# Altium PCB CORE-XY.PcbDoc (part 2 of 2) (continued)
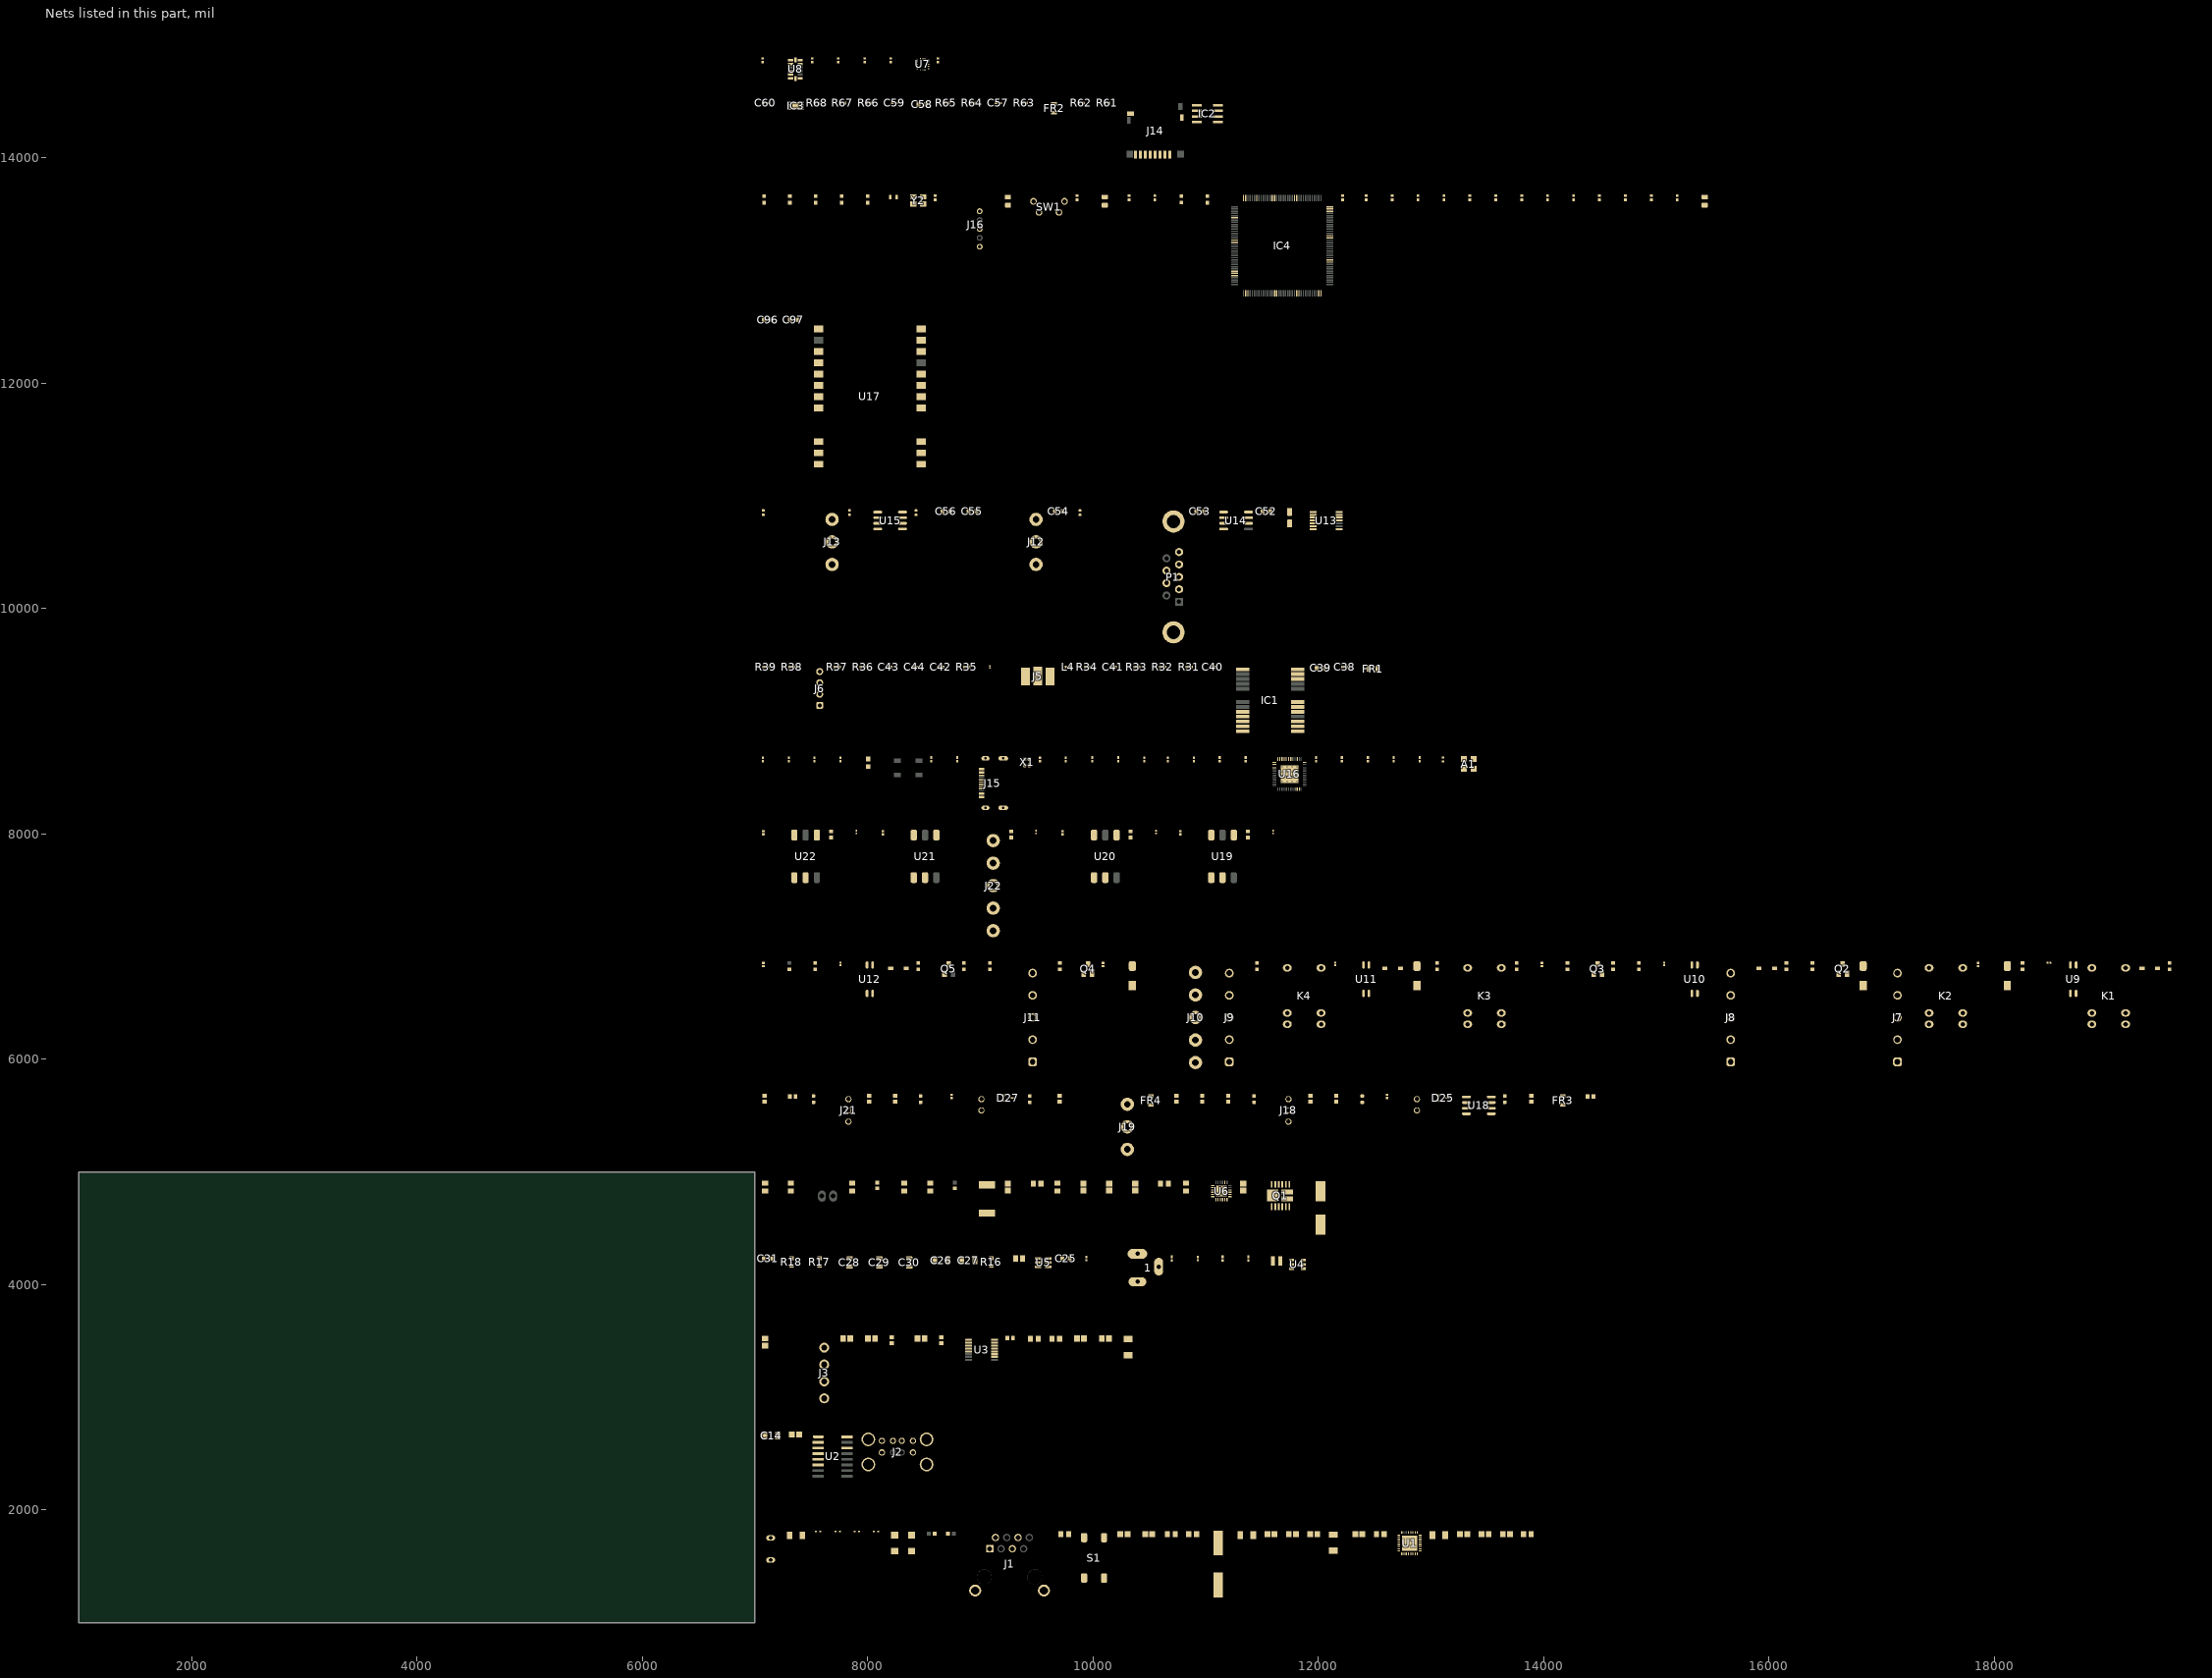
[diagram p2: the nets of this part, all layers, seen from the top]
## Part data (continued)
R25: library part RMCF0603FT2K00, "RES 2K OHM 1% 1/10W 0603", Device Package="0603 (1608 Metric)", Manufacturer="Stackpole Electronics Inc", Operating Temperature="-55°C ~ 155°C", Power (Watts)="0.1W, 1/10W", Ratings=AEC-Q200, Supplier Device Package=0603, Supplier Part Number 1=RMCF0603FT2K00CT-ND, Temperature Coefficient=±100ppm/°C, Tolerance=±1%, ComponentLink1Description=Datasheet, ComponentLink1URL=https://www.seielect.com/catalog/sei-rmcf_rmcp.pdf, ComponentLink2Description="DigiKey Link", ComponentLink2URL=http://digikey.com/product-detail/en/stackpole-electronics-inc/RMCF0603FT2K00/RMCF0603FT2K00CT-ND/1943009, Composition="Thick Film", Features="Automotive AEC-Q200", Height - Seated (Max)="0.022\" (0.55mm)", LastUpdated="02/09/2020 01:10:22", Lifecycle Status=Active, Minimum Order=1, Number of Terminations=2, Package / Case="0603 (1608 Metric)", Packaging=CutTape, Part Number=RMCF0603FT2K00, Part Status=Active, PartId=6085, Price=0.10, Resistance="2 kOhms", Series=RMCF, Size / Dimension="0.061\" L x 0.031\" W (1.55mm x 0.80mm)", Supplier 1=DigiKey
R27: library part CRGP0603F3K3, "CRGP 0603 3K3 1%", Device Package="0603 (1608 Metric)", Manufacturer="TE Connectivity Passive Product", Operating Temperature="-55°C ~ 155°C", Power (Watts)="0.25W, 1/4W", Supplier Device Package=0603, Supplier Part Number 1=A130422CT-ND, Temperature Coefficient=±100ppm/°C, Tolerance=±1%, ComponentLink1Description=Datasheet, ComponentLink1URL=https://www.te.com/commerce/DocumentDelivery/DDEController?Action=srchrtrv&DocNm=9-1773463-9&DocType=DS&DocLang=English, ComponentLink2Description="DigiKey Link", ComponentLink2URL=http://digikey.com/product-detail/en/te-connectivity-passive-product/CRGP0603F3K3/A130422CT-ND/8578254, Composition="Thick Film", Features="Pulse Withstanding", Height - Seated (Max)="0.022\" (0.55mm)", LastUpdated="02/09/2020 01:10:24", Lifecycle Status=Active, Minimum Order=1, Number of Terminations=2, Package / Case="0603 (1608 Metric)", Packaging=TapeAndReel, Part Number=CRGP0603F3K3, Part Status=Active, PartId=5037, Price=0.02, Resistance="3.3 kOhms", Series=CRGP, Size / Dimension="0.063\" L x 0.031\" W (1.60mm x 0.80mm)", Supplier 1=DigiKey
R28: library part RMCF0805FT33K0, "RES 33K OHM 1% 1/8W 0805", Device Package="0805 (2012 Metric)", Manufacturer="Stackpole Electronics Inc", Operating Temperature="-55°C ~ 155°C", Power (Watts)="0.125W, 1/8W", Ratings=AEC-Q200, Supplier Device Package=0805, Supplier Part Number 1=RMCF0805FT33K0CT-ND, Temperature Coefficient=±100ppm/°C, Tolerance=±1%, ComponentLink1Description=Datasheet, ComponentLink1URL=https://www.seielect.com/catalog/sei-rmcf_rmcp.pdf, ComponentLink2Description="DigiKey Link", ComponentLink2URL=http://digikey.com/product-detail/en/stackpole-electronics-inc/RMCF0805FT33K0/RMCF0805FT33K0CT-ND/1942464, Composition="Thick Film", Features="Automotive AEC-Q200", Height - Seated (Max)="0.026\" (0.65mm)", LastUpdated="02/09/2020 01:15:14", Lifecycle Status=Active, Minimum Order=1, Number of Terminations=2, Package / Case="0805 (2012 Metric)", Packaging=CutTape, Part Number=RMCF0805FT33K0, Part Status=Active, PartId=32416, Price=0.10, Resistance="33 kOhms", Series=RMCF, Size / Dimension="0.079\" L x 0.049\" W (2.00mm x 1.25mm)", Supplier 1=DigiKey
R31 R32 R34 R36 R37 R38 R39: library part Res_0402, Manufacturer=Yageo, Manufacturer Part Number 1=RC0402JR-070RL, Operating Temperature="-55°C ~ 155°C", Package / Case="0402 (1005 Metric)", Power (Watts)="0.063W, 1/16W", Resistance (Ohms)=0.0, Supplier Device Package=0402, Supplier Part Number 1=311-0.0JRTR-ND, Temperature Coefficient=-, Tolerance=Jumper, Category=Resistors, Composition="Thick Film", Features="Moisture Resistant", Height="0.016\" (0.40mm)", Number of Terminations=2, Packaging="Tape & Reel (TR)", Part Description="RES SMD 0.0OHM JUMPER 1/16W 0402", RoHS="RoHS Compliant", Size / Dimension="0.039\" L x 0.020\" W (1.00mm x 0.50mm)", Supplier 1=Digi-Key
  R31 R34 R37 R38 R39: Assembly Info=NF
R33: library part Res_0402, Manufacturer=Yageo, Manufacturer Part Number 1=RC0402JR-0710RL, Operating Temperature="-55°C ~ 155°C", Package / Case="0402 (1005 Metric)", Power (Watts)="0.063W, 1/16W", Resistance (Ohms)=10, Supplier Device Package=0402, Supplier Part Number 1=311-10JRTR-ND, Temperature Coefficient=±200ppm/°C, Tolerance=±5%, Category=Resistors, Composition="Thick Film", Features="Moisture Resistant", Height="0.016\" (0.40mm)", Number of Terminations=2, Packaging="Tape & Reel (TR)", Part Description="RES SMD 10 OHM 5% 1/16W 0402", RoHS="RoHS Compliant", Size / Dimension="0.039\" L x 0.020\" W (1.00mm x 0.50mm)", Supplier 1=Digi-Key
R35: library part Res_0402_1, Manufacturer=Yageo, Manufacturer Part Number 1=RC0402JR-070RL, Operating Temperature="-55°C ~ 155°C", Package / Case="0402 (1005 Metric)", Power (Watts)="0.063W, 1/16W", Resistance (Ohms)=0.0, Supplier Device Package=0402, Supplier Part Number 1=311-0.0JRTR-ND, Temperature Coefficient=-, Tolerance=Jumper, Assembly Info=NF, Category=Resistors, Composition="Thick Film", Features="Moisture Resistant", Height="0.016\" (0.40mm)", Number of Terminations=2, Packaging="Tape & Reel (TR)", Part Description="RES SMD 0.0OHM JUMPER 1/16W 0402", RoHS="RoHS Compliant", Size / Dimension="0.039\" L x 0.020\" W (1.00mm x 0.50mm)", Supplier 1=Digi-Key
R40: library part 180-00020, "Resistor 0 ohm 1/16W 0402", Manufacturer 1=Yageo, Manufacturer 2="Hong Kong Resistors Manufactory", Manufacturer Part Number 1=RC0402FR-070RL, Manufacturer Part Number 2=RCT020RLF, Max Operating Temp=155, Min Operating Temp=-55, Part Name="RES SMD 0.0 OHM JUMPER 1/16W 0402", Power=1/16W, Supplier Part Number 1=311-0.0LRCT-ND, Tolerance=None, Voltage=N/A, Height=0.40mm, Item Phase="In Production", Part Number=180-00020, Pins=2, Revision=0E, Size=0402, Supplier 1=Digi-Key, Supplier 2=None, Supplier Part Number 2=None, UBX Code=None, Use in new designs=Yes
R41 R43 R49 R53: library part Res3, "RES SMD 10K OHM 1% 1/10W 0603", Digi-Key Part Number=1276-3485-1-ND, Manufacturer Part Number=RC1608F103CS
R42 R44 R45 R46 R47 R48 R50 R51 R52 R54 R55 R56 R93 R94 R95 R96: library part Res3, "RES SMD 1K OHM 1% 1/10W 0603", Digi-Key Part Number=1276-3484-1-ND, Manufacturer Part Number=RC1608F102CS, LatestRevisionDate=29-May-2009, LatestRevisionNote="IPC-7351 Footprint Added.", PackageDescription="Chip Resistor", PackageReference=J1-0603, Published=8-Jun-2000, Publisher="Altium Limited"
R57 R58 R59 R60: library part RES_SMD, "RESISTOR, SMD", ASSEMBLY=ASSEMBLY, DESC=DESCRIPTION, DIST#=MOUSER, MANF=-, MANF_P#=-, PARAM=0.063W, PARAM2=1%, Price="100= 0.5$"
R61 R62 R63 R64 R67 R68: library part Res_0402, Manufacturer=Yageo, Manufacturer Part Number 1=RC0402FR-0722RL, Resistance (Ohms)=22, Supplier Device Package=0402, Supplier Part Number 1=311-22.0LRTR-ND, Temperature Coefficient=±100ppm/°C, Tolerance=±1%, Category=Resistors, Composition="Thick Film", Part Description="RES SMD 22 OHM 1% 1/16W 0402", Supplier 1=Digi-Key
R65 R66: library part Res_0402, Manufacturer=Yageo, Manufacturer Part Number 1=RC0402FR-0710KL, Operating Temperature="-55°C ~ 155°C", Package / Case="0402 (1005 Metric)", Power (Watts)="0.063W, 1/16W", Resistance (Ohms)=10k, Supplier Device Package=0402, Supplier Part Number 1=311-10.0KLRTR-ND, Temperature Coefficient=±100ppm/°C, Tolerance=±1%, Category=Resistors, Composition="Thick Film", Features="Moisture Resistant", Height="0.016\" (0.40mm)", Number of Terminations=2, Packaging="Tape & Reel (TR)", Part Description="RES SMD 10K OHM 1% 1/16W 0402", RoHS="RoHS Compliant", Size / Dimension="0.039\" L x 0.020\" W (1.00mm x 0.50mm)", Supplier 1=Digi-Key
R69 R71: "RES SMD 5.1K OHM 1% 1/10W 0402", Operating Temperature="-55°C ~ 155°C", Temperature Coefficient=±100ppm/°C, Features="Automotive AEC-Q200"
R72 R73: "Chip Resistor, 0402, 100 ohms, 1%, 1/16 W", Supplier Part Number 1=311-100LRCT-ND, Supplier 1=Digi-Key
R74 R75 R76 R77: "Chip Resistor, 0402, 1k ohms, 1%, 1/16 W", Supplier Part Number 1=311-1.00KLRCT-ND, Supplier 1=Digi-Key
R78 R79 R80: library part resisitor, "Fixed Resistors", Package=0805, Availability="In Stock", Check_prices=https://www.snapeda.com/parts/CRG0805F33R/TE+Connectivity+Passive+Product/view-part/?ref=eda, EU_RoHS_Compliance="Compliant with Exemptions", MF="TE Connectivity", MP=CRG0805F33R, Price=None, Purchase-URL=https://pricing.snapeda.com/search/part/CRG0805F33R/?ref=eda, SnapEDA_Link=https://www.snapeda.com/parts/CRG0805F33R/TE+Connectivity+Passive+Product/view-part/?ref=snap
R81 R82 R83 R84 R85 R86 R87 R88 R89 R90 R91 R92: library part Res3_1, "RES SMD 10K OHM 1% 1/10W 0603", Digi-Key Part Number=1276-3485-1-ND, Manufacturer Part Number=RC1608F103CS
S1: "SWITCH TACTILE SPST-NO 0.05A 24V", Contact Rating @ Voltage="0.05A @ 24VDC", Manufacturer="TE Connectivity ALCOSWITCH Switches", Operating Force=260gf, Supplier Part Number 1=1-1977223-1-ND, Actuator Height off PCB, Vertical=5.00mm, Actuator Orientation="Top Actuated", Actuator Type=Standard, Circuit=SPST-NO, ComponentLink1Description=Datasheet, ComponentLink1URL=https://www.te.com/commerce/DocumentDelivery/DDEController?Action=srchrtrv&DocNm=1308111-1_SWITCHES_CORE_PROGRAM_CATALOG&DocType=CS&DocLang=English, ComponentLink2Description="DigiKey Link", ComponentLink2URL=http://digikey.com/product-detail/en/te-connectivity-alcoswitch-switches/1-1977223-1/1-1977223-1-ND/5597032, Illumination=Non-Illuminated, LastUpdated="02/09/2020 01:27:07", Lifecycle Status=Active, Minimum Order=0, Mounting Type="Surface Mount", Outline="6.00mm x 6.00mm", Part Number=1-1977223-1, Price=0, Series=FSMJSMA, Supplier 1=DigiKey, Switch Function=Off-Mom, Termination Style="Gull Wing"
SW1: library part reset_button, "WS-TATU THT Tact Switch 6x6mm Right Angled Type with ground terminal, SPST-NO, 12VDC, 50mA, 160g", Manufacturer="Wurth Elektronik", Operating Temperature Max=85°C, Operating Temperature Min=-40°C, Rated Current=50mA, Rated Voltage=12VDC, Category="Tact Switches", Circuit=SPST-NO, ComponentLink1Description="Website Link", ComponentLink1URL=https://www.we-online.com/redexpert/article/431256058716?ad, ComponentLink2Description="Datasheet Link", ComponentLink2URL=https://www.we-online.com/redexpert/spec/431256058716?ad, Contact Material="Stainless Steel", Contact Plating=Silver, Height=5.85mm, Length=6mm, Manufacturer Part Number=431256058716, Match Code=WS-TATU, Mount="Through Hole", Operation Force=160g, Packaging=Bulk, Terminal Material="Copper Alloy", Terminal Plating=Silver, Washable=No, Width=6mm
U1: library part IC_DP83826IRHBR, "Ethernet MAC Controller IEEE 802.3, 10/100 Base-T/TX PHY MII, RMII Interface 32-VQFN (5x5)", Manufacturer="Texas Instruments", Supplier Part Number 1=296-DP83826IRHBRCT-ND, Manufacturer Part Number=DP83826IRHBR, Pricing 1="1=2.14000, 10=1.91900, 25=1.81000, 100=1.54210, 250=1.44796, 500=1.26696, 1000=1.14061 (USD)", RoHS=Yes, Supplier 1=Digi-Key
U2: library part IC_CH340C, "USB Bridge, USB to UART USB 2.0 UART Interface", Alternate Part Number-1=NA, Case/Package=SOIC16, Manufacturer=Olimex, Supplier Part Number-1=C84681, Manufacturer Part Number=CH340C, Supplier-1=LCSC
U3: library part IC_ADS122C04IPW, "24 Bit Analog to Digital Converter 4 Input 1 Sigma-Delta 16-TSSOP", Alternate Part Number-1=NA, Case/Package=TSSOP16, Manufacturer="Texas Instruments", Manufacturer Part Number=ADS122C04IPW, Supplier Part Number-1=ADS122C04IPW, Supplier-1=MOUSER
U4: "Buck Converter, 4.5-17V in, 0.76-7V out, 4A, TSOT-6", Manufacturer="Texas Instruments", Supplier Part Number=296-44195-1-ND, Last Modified By="Peter Kazakoff", Last Modified Date="November 13th 2016", Manufacturer Part Number=TPS564201, Supplier=Digi-Key, Supplier 1=Digi-Key, Supplier Part Number 1=296-44195-1-ND
U5: "4.5V to 28V Input, 2A Output Sync Buck", Case=SOT23-6, Manufacturer=TI, PartNumber=TPS54202DDC
U6: library part IC_DRV8701ERGET, "IC MOTOR DRIVER 0V-5.5V 24VQFN", Case/Package=VQFN, Manufacturer="Texas Instruments", Category="Integrated Circuits (ICs)", ComponentLink1Description=http://www.ti.com/general/docs/lit/getliterature.tsp?genericPartNumber=DRV8701&&fileType=pdf&src-supplier=Avnet, ComponentLink1URL=http://www.ti.com/general/docs/lit/getliterature.tsp?genericPartNumber=DRV8701&&fileType=pdf&src-supplier=Avnet, ComponentLink2Description=http://www.ti.com/lit/ds/symlink/drv8701.pdf?src-supplier=Digi-Key, ComponentLink2URL=http://www.ti.com/lit/ds/symlink/drv8701.pdf?src-supplier=Digi-Key, Manufacturer Part Number=DRV8701ERGET, Mount="Surface Mount", Pricing 1="1=2.52000, 10=2.26100, 25=2.13320, 100=1.81750 (USD)", Supplier 1=Digi-Key
U7: "SENSOR, Gyroscope, I2C, 3-AXIS, 1.7-3.45V, SMT, LGA-16, 3mmX3mm", Current=None, Manufacturer 1="TDK InvenSense", Max Operating Temp=85, MFG Package=LGA-12, Min Operating Temp=-40, Part Name=LIS3MDL, Voltage=1.9-3.6V, Body Size="2mm x 2mm", Height=1mm, Item Phase="In Production", Manufacturer Part Number 1=ICG-20330, Part Number=ICG-20330, Pins=12, Revision=0A, UBX Code=None, Use in new designs=Yes
U8: "SENSOR, ACCELEROMETER, 3-AXIS, I2C, SMT, +/-16g, LGA-14 3mmX5mm", Current=None, Manufacturer 1="Analog Devices", Max Operating Temp=85, MFG Package=QCS5P, Min Operating Temp=-40, Part Name=B39162B4353P810, Voltage=N/A, Body Size="1.4mm x 1.1mm", Height=0.45mm, Item Phase="In Production", Manufacturer Part Number 1=ADXL345, Part Number=ADXL345, Pins=5, Revision=0A, UBX Code=None, Use in new designs=Yes
U9 U10 U11 U12: "Optoisolator Transistor Output 3750Vrms 1 Channel 4-SOP", Package="SOP-4 Vishay", Check_prices=https://www.snapeda.com/parts/TCMT1100/Vishay%20Semiconductor%20Opto%20Division/view-part/286066/?ref=eda, Digi-Key_Part_Number=TCMT1100CT-ND, DigiKey-Purchase-URL=https://snapeda.com/shop?store=DigiKey&id=286066, MF="Vishay Semiconductor", Mouser-Purchase-URL=https://snapeda.com/shop?store=Mouser&id=286066, MP=TCMT1100, SnapEDA_Link=https://www.snapeda.com/parts/TCMT1100/Vishay%20Semiconductor%20Opto%20Division/view-part/286066/?ref=snap
U13: "2/2 Transceiver Full RS232 16-TSSOP", Package="TSSOP-16 STMicroelectronics", Availability="In Stock", Check_prices=https://www.snapeda.com/parts/ST3232EBTR/STMicroelectronics/view-part/?ref=eda, MF=STMicroelectronics, MP=ST3232EBTR, Price=None, Purchase-URL=https://pricing.snapeda.com/search/part/ST3232EBTR/?ref=eda, SnapEDA_Link=https://www.snapeda.com/parts/ST3232EBTR/STMicroelectronics/view-part/?ref=snap
U14: library part TJA1040_SOP8, "CAN, phy, High speed, 5V (VDD)", MANF=NXP, MANF_P#=TJA1040T, PARAM=PARAM, PARAM2="5V (VDD)", Price=4000toman@PAYA
U15: library part ADM485_SOP8, "RS-485 Transceiver, 5V, SOP-8, ±7V Ground Difference Between Devices on the Bus", MANF="Analog Devices", MANF_P#=ADM485AR, Price=4000toman@PAYA
U16: "WiFi 802.11b/g/n Transceiver Module 2.4GHz QFN-56", Supplier Part Number 1=1965-ESP32-S2CT-ND, Supplier 1=Digi-Key, Supplier 2=Mouser, Supplier 3=LCSC, Supplier Part Number 2=356-ESP32-S2, Supplier Part Number 3=C529594
U17: "SX1262 868/915 MHz 1w SPI LoRa Module", Package=Package, Availability="Not in stock", Check_prices=https://www.snapeda.com/parts/E22-900M30S/EBYTE/view-part/?ref=eda, MF=EBYTE, MP=E22-900M30S, Price=None, SnapEDA_Link=https://www.snapeda.com/parts/E22-900M30S/EBYTE/view-part/?ref=snap
U18: library part LTC1441_SOP8, "Comparator, Dual, Ultralow Power, with Reference", MANF="Linear Technology", MANF_P#="LTC1441CS8, LTC1441IS8", PARAM2="2.7~16V, ±1.35~8V"
U19 U20 U21 U22: library part OPTC_MOS6P_G3VM-61E1, "OPTOCOUPLER, MOS SSR, 6PIN", Price=PRICE
X1: library part XTL_4_40MHz_2016F, "CRYSTAL 40.00 MHZ 7pF, 10PPM", ASSEMBLY=ASSEMBLY, DESC=X1E000021036701, DIST#=MOUSER, MANF=DIODES, MANF_P#=FW400WFQA1, PARAM="10PPM, -30~85oC", PARAM2="7pF, 40OhmESR", Price=1$
Y1: library part ABLS-25.000MHZ-20-D2YF-T, "CRYSTAL 25.000MHZ 20PF SMD", ESR (Equivalent Series Resistance)="40 Ohms", Frequency Stability=±30ppm, Frequency Tolerance=±20ppm, Load Capacitance=20pF, Manufacturer="Abracon LLC", Operating Mode=Fundamental, Operating Temperature="-40°C ~ 85°C", Package / Case=HC-49/US, Supplier Part Number 1=535-14354-1-ND, ComponentLink1Description=Datasheet, ComponentLink1URL=https://abracon.com/Resonators/abls.pdf, ComponentLink2Description="DigiKey Link", ComponentLink2URL=http://digikey.com/product-detail/en/abracon-llc/ABLS-25.000MHZ-20-D2YF-T/535-14354-1-ND/8582115, Frequency=25MHz, Height - Seated (Max)="0.165\" (4.20mm)", LastUpdated="02/09/2020 01:21:46", Lifecycle Status=Active, Minimum Order=1, Mounting Type="Surface Mount", Packaging=TapeAndReel, Part Number=ABLS-25.000MHZ-20-D2YF-T, Part Status=Active, PartId=14, Price=0.24, Series=ABLS, Size / Dimension="0.449\" L x 0.185\" W (11.40mm x 4.70mm)", Supplier 1=DigiKey, Type="MHz Crystal"
Y2: library part Crystals, "WE-XTAL Quartz Crystal, SMT, CFPX-180, 25MHz, +/-10ppm", Case/Size Code=CFPX-180, Frequency Stability=+/-15ppm, Frequency Tolerance=+/-10ppm, Load Capacitance=10pF, Manufacturer="Wurth Elektronik", Manufacturer Part Number=830108174209, Operating Temperature Max=85°C, Operating Temperature Min=-40°C, Category=Crystals, ComponentLink1Description="Website Link", ComponentLink1URL=https://www.we-online.com/redexpert/article/830108174209?ad, ComponentLink2Description="Datasheet Link", ComponentLink2URL=https://www.we-online.com/redexpert/spec/830108174209?ad, Frequency=25MHz, Height=0.8mm, Length=3.4mm, Match Code=WE-XTAL, Mount="Surface Mount", Packaging="Tape and Reel", Width=2.7mm
Y3: library part "CRYSTAL 32.768kH", "WE-XTAL Watch Crystal, SMT, IQXC-25, 32.768kHz, +/-10ppm", Case/Size Code=IQXC-25, Frequency Tolerance=+/-10ppm, Load Capacitance=9pF, Manufacturer="Wurth Elektronik", Manufacturer Part Number=830062558, Operating Temperature Max=85°C, Operating Temperature Min=-40°C, Category=Crystals, ComponentLink1Description="Website Link", ComponentLink1URL=https://www.we-online.com/redexpert/article/830062558?ad, ComponentLink2Description="Datasheet Link", ComponentLink2URL=https://www.we-online.com/redexpert/spec/830062558?ad, Frequency=32.768kHz, Height=0.6mm, Length=2mm, Match Code=WE-XTAL, Mount="Surface Mount", Packaging="Tape and Reel", Width=1.2mm

## Via types
v1: diameter 19.68, hole 9.84, Top Layer to Bottom Layer, tented both sides, 16 vias

## Nets (pads, with @x,y where several pads share a name; then routed paths per layer and width w, separated by ;. In a path a pad name is that pad's centre, name@x,y a point inside that pad or via, vN(x,y) a via of type N, cw(c..) or ccw(c..) an arc to the next point about the centre after c; other vN are vias at no path point)
3.3V: C15.2 C20.2 C51.1 C52.1 C56.1 C72.2 C73.2 C74.2 C75.2 C76.2 C77.2 C78.2 C79.2 C80.2 C81.2 C82.2 C83.2 C84.2 C85.2 FB2.1 FB3.1 FR1.1 IC4.6 IC4.17 IC4.30 IC4.32 IC4.39 IC4.52 IC4.62 IC4.72 IC4.84 IC4.95 IC4.108 IC4.121 IC4.131 IC4.143 IC4.144 J3.3 J16.1 R9.2 R10.2 R11.2 R41.1 R43.1 R49.1 R53.1 R58.2 R60.1 R79.2 R80.2 U3.13 U14.3 U15.8
3.3V-GNSS: C43.2 C44.1 R31.1
3v3: C46.1 C47.1 C48.1 C49.1 C50.1 D25.2 D27.2 U7.1 U7.5 U7.16 U8.1 U8.6 U8.7 U8.12 U18.7
5V: D9.2 D11.2 D15.2 D18.2 K1.4 K2.4 K3.4 K4.4
12V: L2.1
+3V3: C1.2 C2.2 C3.2 C4.2 C13.2 C23.2 C63.2 C64.2 C65.2 C66.2 C67.2 C68.2 C69.2 FB1.2 L1.2 R1.2 R2.2 R4.1 R5.1 R14.2 R24.1 R70.1 U1.17 U2.4 U2.16 U16.1 U16.3 U16.4 U16.20 U16.27 U16.45 U16.51 U16.54
+12V: 1.1 C32.2 C33.1 C36.1 Q1.2 Q1.11 Q1.15 U6.1
+24: J7.5 J8.5 J9.5 J11.5
+24V: J22.1
A+: J13.1 R58.1 R59.2 U15.7
AIN1: C100.2 R83.1
AIN2: C103.2 R89.1
AN1: J3.1 R12.2
AN2: J3.2 R13.2
ANT: U17.21
AVDD_2: C34.2 U6.7
B1: R75.1 U16.55
B-: J13.3 R59.1 R60.2 U15.6
BUSY: U17.14
CAN-RX: U14.4
CAN-STB: U14.8
CAN-TX: U14.1
CANH: J12.1 R57.2 U14.7
CANL: J12.3 R57.1 U14.6
COL: U1.28
CRS: U1.29
D+: R72.2 U16.26
D-: R73.2 U16.25
D_N: J2.T2 U2.6
D_P: J2.T3 U2.5
DIN1: R41.2 U9.4
DIN2: R43.2 U10.4
DIN3: R49.2 U11.4
DIN4: R53.2 U12.4
DOUT1: R44.2
DOUT2: R51.2
DOUT3: R47.2
DOUT4: R54.2
DVDD: C35.2 R29.1 R30.1 U6.8
EARTH: C12.1 R8.1
EN_PW: R16.1 U5.5
ETH_USB4_D_N: J6.3 R38.1
ETH_USB4_D_P: J6.2 R39.1
G1: R76.1 U16.50
GH1_2: Q1.1 R19.2
GH2_2: Q1.12 R20.2
GL1_2: Q1.4 R21.2
GL2_2: Q1.9 R22.2
GND: 1.2 1.3 A1.2 C1.1 C2.1 C3.1 C4.1 C5.2 C6.1 C7.1 C8.1 C9.1 C10.1 C11.1 C13.1 C14.1 C15.1 C16.1 C18.1 C19.1 C20.1 C22.1 C23.1 C26.1 C27.1 C28.1 C29.1 C30.1 C32.1 C33.2 C34.1 C35.1 C38.1 C39.1 C41.2 C42.2 C43.1 C44.2 C46.2 C47.2 C48.2 C49.2 C50.2 C51.2 C52.2 C53.2 C56.2 C57.2 C58.1 C59.2 C60.2 C61.1 C62.1 C63.1 C64.1 C65.1 C66.1 C67.1 C68.1 C69.1 C70.1 C71.1 C72.1 C73.1 C74.1 C75.1 C76.1 C77.1 C78.1 C79.1 C80.1 C81.1 C82.1 C83.1 C84.1 C85.1 C86.2 C87.1 C88.1 C89.1 C90.1 C91.2 C92.2 C93.2 C94.2 C95.1 C96.1 C97.1 C99.1 C100.1 C102.1 C103.1 D1.2 D2.2 D3.A D4.A D5.A D6.K D10.1 D14.1 D19.1 D22.1 D25.1 D26.1 D27.1 D27.3 D28.1 D30.1 D32.1 D34.1 D36.1 ESD1.2 IC1.10 IC1.12 IC1.13 IC1.24 IC2.4 IC3.1 IC3.2 IC3.3 IC3.4 IC3.7 IC3.PAD IC4.16 IC4.31 IC4.38 IC4.51 IC4.61 IC4.83 IC4.94 IC4.107 IC4.120 IC4.130 J3.4 J5.2 J6.1 J10.1 J12.2 J13.2 J14.6 J14.12 J14.13 J15.A1 J15.A12 J15.B1 J15.B12 J15.S1 J15.S2 J15.S3 J15.S4 J16.3 J19.1 J21.2 P1.5 P1.MH1 P1.MH2 Q2.2 Q3.2 Q4.2 R3.1 R15.1 R18.1 R23.1 R26.1 R27.1 R28.1 R34.2 R35.2 R37.1 R46.2 R48.2 R52.2 R69.2 R71.2 R77.1 R78.2 R84.1 R85.1 R86.2 R90.1 R91.1 R92.2 S1.1 S1.2 SW1.2 SW1.G1 SW1.G2 U1.33 U2.1 U3.1 U3.2 U3.4 U3.5 U4.1 U5.1 U6.5 U6.16 U6.20 U6.25 U7.4 U7.8 U7.9 U7.10 U7.11 U7.12 U7.13 U7.15 U8.2 U8.4 U8.5 U9.2 U9.3 U10.2 U10.3 U11.2 U11.3 U12.2 U12.3 U14.2 U15.5 U16.57 U17.1 U17.2 U17.3 U17.4 U17.5 U17.11 U17.12 U17.20 U17.22 U18.2 U18.5 U19.2 U19.4 U20.2 U20.4 U21.2 U21.4 U22.2 U22.4 X1.2 X1.4 Y2.2 Y2.4
  other v1: 11680.04,8465.04 11723.35,8465.04 11766.65,8465.04 11809.96,8465.04 11680.04,8508.35 11723.35,8508.35 11766.65,8508.35 11809.96,8508.35 11680.04,8551.65 11723.35,8551.65 11766.65,8551.65 11809.96,8551.65 11680.04,8594.96 11723.35,8594.96 11766.65,8594.96 11809.96,8594.96
"GNSS _UART_TX": IC1.20
GNSS_RF_IN: C40.1 ESD1.1 J5.1 L4.1
GNSS_TPULSE: IC1.3
GNSS_UART_RX: IC1.21
GNSS_USB_D_N: IC1.5 R38.2
GNSS_USB_D_P: IC1.6 R39.2
GNSS_USB_VDD: IC1.7 R32.1 R34.1
GPIO-AC: R40.1
MISO: U17.16
MOSI: U17.17
NetA1_1: A1.1 C62.2 L5.2
NetC5_1: C5.1 U1.2
NetC6_2: C6.2 C7.2 C8.2 C9.2 FB1.1 U1.3
NetC10_2: C10.2 U1.8 Y1.1
NetC11_2: C11.2 U1.9 Y1.2
NetC12_2: C12.2 J1.9 J1.10 R8.2
NetC16_2: C16.2 FB2.2 U3.12
NetC17_1: C17.1 C18.2 R13.1 U3.10
NetC17_2: C17.2 C19.2 R12.1 U3.11
NetC21_1: C21.1 L1.1 U4.2
NetC21_2: C21.2 U4.6
NetC25_1: C25.1 U5.6
NetC25_2: C25.2 U5.2
NetC26_2: C26.2 C27.2 L2.2 R16.2 U5.3
NetC31_1: C31.1 R17.1 R18.2 U5.4
NetC36_2: C36.2 U6.2
NetC37_1: C37.1 U6.4
NetC37_2: C37.2 U6.3
NetC40_2: C40.2 IC1.11
NetC41_1: C41.1 L4.2 R33.2
NetC42_1: C42.1 IC1.22 R36.1
NetC45_1: U7.14
NetC53_1: C53.1 U13.6
NetC54_1: C54.1 U13.5
NetC54_2: C54.2 U13.4
NetC55_1: C55.1 U13.3
NetC55_2: C55.2 U13.1
NetC58_2: C58.2 C59.1 FR2.1 J14.4
NetC61_2: C61.2 L5.1 U16.2
NetC70_2: C70.2 U16.52 X1.1
NetC71_2: C71.2 U16.53 X1.3
NetC86_1: C86.1 IC4.106
NetC90_2: C90.2 J16.5 R80.1
NetC95_2: C95.2 IC4.71
NetC98_1: C98.1 R85.2
NetC98_2: C98.2 FR3.2 J17.1 R81.2
NetC99_2: C99.2 D26.2 FR3.1 J19.3
NetC101_1: C101.1 R91.2
NetC101_2: C101.2 FR4.2 J20.1 R87.2
NetC102_2: C102.2 D28.2 FR4.1 J19.2
NetD1_1: D1.1 R6.2
NetD2_1: D2.1 R7.1
NetD7_1: D7.1 D8.1
NetD7_2: D7.2 D10.2 R42.1
NetD8_2: D8.2 U9.1
NetD9_1: D9.1 K1.5 Q2.3
NetD11_1: D11.1 K2.5 Q3.3
NetD12_1: D12.1 D13.1
NetD12_2: D12.2 D14.2 R45.1
NetD13_2: D13.2 U10.1
NetD15_1: D15.1 K3.5 Q4.3
NetD16_1: D16.1 D17.1
NetD16_2: D16.2 D19.2 R50.1
NetD17_2: D17.2 U11.1
NetD18_1: D18.1 K4.5 Q5.3
NetD20_1: D20.1 D21.1
NetD20_2: D20.2 D22.2 R55.1
NetD21_2: D21.2 U12.1
NetD23_BK: R75.2
NetD23_GK: R76.2
NetD23_RK: R74.2
NetD24_K: D24.K R77.2
NetD25_3: D25.3 J18.2 U18.3
NetD29_1: D29.1 D30.2 R93.1
NetD29_2: D29.2 U19.1
NetD31_1: D31.1 D32.2 R94.1
NetD31_2: D31.2 U20.1
NetD33_1: D33.1 D34.2 R95.1
NetD33_2: D33.2 U21.1
NetD35_1: D35.1 D36.2 R96.1
NetD35_2: D35.2 U22.1
NetIC1_1: IC1.1 R37.2
NetIC1_2: IC1.2 R35.1
NetIC2_3: IC2.3 R66.2
NetIC2_7: IC2.7 R65.2
NetIC4_138: IC4.138 R78.1
NetJ2_B4: J2.B4 J2.SHIELD J2.T4
NetJ7_1: J7.1 K1.3
NetJ7_2: J7.2 K1.1
NetJ7_3: J7.3 K1.2
NetJ7_4: J7.4 K1.11
NetJ8_1: J8.1 K2.3
NetJ8_2: J8.2 K2.1
NetJ8_3: J8.3 K2.2
NetJ8_4: J8.4 K2.11
NetJ9_1: J9.1 K3.3
NetJ9_2: J9.2 K3.1
NetJ9_3: J9.3 K3.2
NetJ9_4: J9.4 K3.11
NetJ10_2: J10.2 R55.2
NetJ10_3: J10.3 R50.2
NetJ10_4: J10.4 R45.2
NetJ10_5: J10.5 R42.2
NetJ11_1: J11.1 K4.3
NetJ11_2: J11.2 K4.1
NetJ11_3: J11.3 K4.2
NetJ11_4: J11.4 K4.11
NetJ14_1: J14.1 R61.2
NetJ14_2: J14.2 R62.2
NetJ14_3: J14.3 R63.2
NetJ14_5: J14.5 R64.2
NetJ14_7: J14.7 R67.2
NetJ14_8: J14.8 R68.2
NetJ15_A5: J15.A5 R69.1
NetJ15_A6: J15.A6 J15.B6 R72.1
NetJ15_A7: J15.A7 J15.B7 R73.1
NetJ15_B5: J15.B5 R71.1
NetJ17_2: J17.2 R84.2
NetJ18_1: J18.1 R81.1 R82.1
NetJ18_3: J18.3 R82.2 R86.1
NetJ20_2: J20.2 R90.2
NetJ21_1: J21.1 R87.1 R88.1
NetJ21_3: J21.3 R88.2 R92.1
NetP1_2: P1.2 U13.13
NetP1_3: P1.3 U13.14
NetP1_4: P1.4 U13.2
NetP1_7: P1.7 U13.7
NetP1_8: P1.8 U13.8
NetQ2_1: Q2.1 R44.1 R46.1
NetQ3_1: Q3.1 R47.1 R48.1
NetQ4_1: Q4.1 R51.1 R52.1
NetQ5_1: Q5.1 R54.1 R56.1
NetR1_1: R1.1 U1.21
NetR2_1: R2.1 U1.1
NetR3_2: R3.2 U1.10
NetR5_2: R5.2 U1.11
NetR9_1: R9.1 U3.16
NetR10_1: R10.1 U3.15
NetR11_1: R11.1 U3.3
NetR14_1: R14.1 R15.2 U4.4
NetR24_2: R24.2 U6.13
NetR25_1: R25.1 R27.2 U6.6
NetR26_2: R26.2 U6.14
NetR28_2: R28.2 U6.12
NetR29_2: R29.2 U6.9
NetR30_2: R30.2 U6.10
NetR31_2: R31.2 R33.1
NetR40_2: R40.2 U8.8
NetR83_2: R83.2 U18.1 U18.4
NetR89_2: R89.2 U18.6 U18.8
NetU1_12: U1.12
NetU1_13: U1.13
NetU1_14: U1.14
NetU1_15: U1.15
NetU1_16: U1.16
NetU1_18: U1.18
NetU1_19: U1.19
NetU1_20: U1.20
NetU1_22: U1.22
NetU1_23: U1.23
NetU1_24: U1.24
NetU1_25: U1.25
NetU1_26: U1.26
NetU1_27: U1.27
NetU2_2: U2.2
NetU2_3: U2.3
NetU2_14: U2.14
NetU3_14: U3.14
NetU6_11: U6.11
NetU6_15: U6.15
NSS: U17.19
OUT1: J22.2 U19.6
OUT2: J22.3 U20.6
OUT3: J22.4 U21.6
OUT4: J22.5 U22.6
PHY_RESET: R4.2 S1.3 S1.4 U1.32
R1: R74.1 U16.42
RD_N: D6.A J1.6 U1.5
RD_P: D5.K J1.5 U1.4
RS485_DE: U15.2 U15.3
RS485_RX: U15.4
RS485_TX: U15.1
RS-RX: U13.11
RS-TX: U13.12
RST: U17.15
RST_N: R70.2 U16.56
RXEN: U17.6
SCK: U17.18
SCL-EEPROM: IC3.6
SDA-EEPROM: IC3.5
SH1_2: Q1.3 Q1.13 R19.1
SH2_2: Q1.10 Q1.14 R20.1
SP_2: Q1.5 Q1.6 Q1.7 Q1.8 R21.1 R22.1 R23.2
STM32H7_HSE_IN: C94.1 Y2.1
STM32H7_HSE_OUT: C91.1 Y2.3
STM32H7_LSE_IN: C93.1 Y3.2
STM32H7_LSE_OUT: C92.1 Y3.1
STM32H7_NRST: C89.2 R79.1 SW1.1
STM-DIG1: R93.2
STM-DIG2: R94.2
STM-DIG3: R95.2
STM-DIG4: R96.2
STM-SCL-AC: U8.14
STM-SCL-GY: U7.2 U7.3
STM-SDA-AC: U8.13
STM_SDX_CLK: R64.1
STM_SDX_CMD: R63.1
STM_SDX_D0: R67.1
STM_SDX_D1: R68.1
STM_SDX_D2: R61.1
STM_SDX_D3: R62.1
STM_SPI_FLASH_SS: IC2.1
STM_SPI_MISO: IC2.2
STM_SPI_MOSI: IC2.5
STM_SPI_SCLK: IC2.6
TD_N: D4.K J1.2 U1.6
TD_P: D3.K J1.1 U1.7
TXEN: U17.7
U0RX: U16.49
U0TX: U16.48
VBUS: D24.A J15.A4 J15.A9 J15.B4 J15.B9
VCC3P3: C57.1 C60.1 IC2.8 IC3.8 R65.1 R66.1
VCC3P3_2: FR2.2
VCC3P3_GNSS: C38.2 C39.2 FR1.2 IC1.23 R32.2 R36.2
VCC5P0_USBE: C14.2 J2.B1 J2.T1 J6.4
VCC_5V: C22.2 C28.2 C29.2 C30.2 C31.2 R17.2 U4.3 U4.5
VDDA: C87.2 C88.2 FB3.2
VMCU: C96.2 C97.2 U17.9 U17.10
pads on no net: C14.0 C25.0 C26.0 C27.0 C28.0 C29.0 C30.0 C31.0 C38.0 C39.0 C40.0 C41.0 C42.0 C43.0 C44.0 C52.0 C53.0 C54.0 C55.0 C56.0 C57.0 C58.0 C59.0 C60.0 C96.0 C97.0 D23.1 D23.2 D23.3 D23.4 FR1.0 FR2.0 FR3.0 FR4.0 IC1.4 IC1.8 IC1.9 IC1.14 IC1.15 IC1.16 IC1.17 IC1.18 IC1.19 IC4.1 IC4.2 IC4.3 IC4.4 IC4.5 IC4.7 IC4.8 IC4.9 IC4.10 IC4.11 IC4.12 IC4.13 IC4.14 IC4.15 IC4.18 IC4.19 IC4.20 IC4.21 IC4.22 IC4.23 IC4.24 IC4.25 IC4.26 IC4.27 IC4.28 IC4.29 IC4.33 IC4.34 IC4.35 IC4.36 IC4.37 IC4.40 IC4.41 IC4.42 IC4.43 IC4.44 IC4.45 IC4.46 IC4.47 IC4.48 IC4.49 IC4.50 IC4.53 IC4.54 IC4.55 IC4.56 IC4.57 IC4.58 IC4.59 IC4.60 IC4.63 IC4.64 IC4.65 IC4.66 IC4.67 IC4.68 IC4.69 IC4.70 IC4.73 IC4.74 IC4.75 IC4.76 IC4.77 IC4.78 IC4.79 IC4.80 IC4.81 IC4.82 IC4.85 IC4.86 IC4.87 IC4.88 IC4.89 IC4.90 IC4.91 IC4.92 IC4.93 IC4.96 IC4.97 IC4.98 IC4.99 IC4.100 IC4.101 IC4.102 IC4.103 IC4.104 IC4.105 IC4.109 IC4.110 IC4.111 IC4.112 IC4.113 IC4.114 IC4.115 IC4.116 IC4.117 IC4.118 IC4.119 IC4.122 IC4.123 IC4.124 IC4.125 IC4.126 IC4.127 IC4.128 IC4.129 IC4.132 IC4.133 IC4.134 IC4.135 IC4.136 IC4.137 IC4.139 IC4.140 IC4.141 IC4.142 J1. J1.3 J1.4 J1.7 J1.8 J2.B2 J2.B3 J4.1 J4.2 J14.9 J14.10 J14.11 J14.14 J15.A8 J15.B8 J16.2 J16.4 J16.MH1 L4.0 P1.1 P1.6 P1.9 Q5.2 R6.1 R7.2 R16.0 R17.0 R18.0 R25.2 R31.0 R32.0 R33.0 R34.0 R35.0 R36.0 R37.0 R38.0 R39.0 R56.2 R61.0 R62.0 R63.0 R64.0 R65.0 R66.0 R67.0 R68.0 U1.30 U1.31 U2.7 U2.8 U2.9 U2.10 U2.11 U2.12 U2.13 U2.15 U3.6 U3.7 U3.8 U3.9 U6.17 U6.18 U6.19 U6.21 U6.22 U6.23 U6.24 U7.6 U7.7 U8.3 U8.9 U8.10 U8.11 U13.9 U13.10 U14.5 U16.5 U16.6 U16.7 U16.8 U16.9 U16.10 U16.11 U16.12 U16.13 U16.14 U16.15 U16.16 U16.17 U16.18 U16.19 U16.21 U16.22 U16.23 U16.24 U16.28 U16.29 U16.30 U16.31 U16.32 U16.33 U16.34 U16.35 U16.36 U16.37 U16.38 U16.39 U16.40 U16.41 U16.43 U16.44 U16.46 U16.47 U17.8 U17.13 U19.3 U19.5 U20.3 U20.5 U21.3 U21.5 U22.3 U22.5

## Text inside footprints (layer, text, board x,y; h text height)
J2: Mechanical 15 "T1" at 8148.07,2635.47 h21.65 r180; Mechanical 15 "B1" at 8145.12,2525.24 h21.65 r180; Mechanical 15 "B4" at 8426.61,2526.22 h21.65 r180; Mechanical 15 "T4" at 8426.61,2632.52 h21.65 r180; Mechanical 15 "PCB edge" at 8341.97,2177.8 h21.65 r180
J14: Mechanical 15 "8" at 10388.66,14081.04 h21.65 r180; Mechanical 15 "1" at 10685.91,14081.04 h21.65 r180
P1: Top Overlay "6" at 10695,9980.42 h39.37 r90; Top Overlay "1" at 10795,9980.42 h39.37 r90; Top Overlay "5" at 10795,10560.42 h39.37 r90; Top Overlay "9" at 10695,10520.42 h39.37 r90
U2: Top Overlay "1" at 7515,2705 h35 r270
U3: Top Overlay "1" at 8848.82,3533.46 h10